# Altium PCB VOU_SOM_CV_V0.0.1.PcbDoc (part 1 of 5)
Units mm, origin at the board's own origin, x right, y up, seen from the top; angles counter-clockwise.
Board outline 75 x 105 mm, 9 copper layers (Top Layer, PWR1, INT1, INT2, INT3, INT4, INT5, PWR2, Bottom Layer), stack 1.317 mm thick; 497 components, 649 nets, 3023 pads, 1317 vias.
Unrouted connection lines stored in the file: 2057.
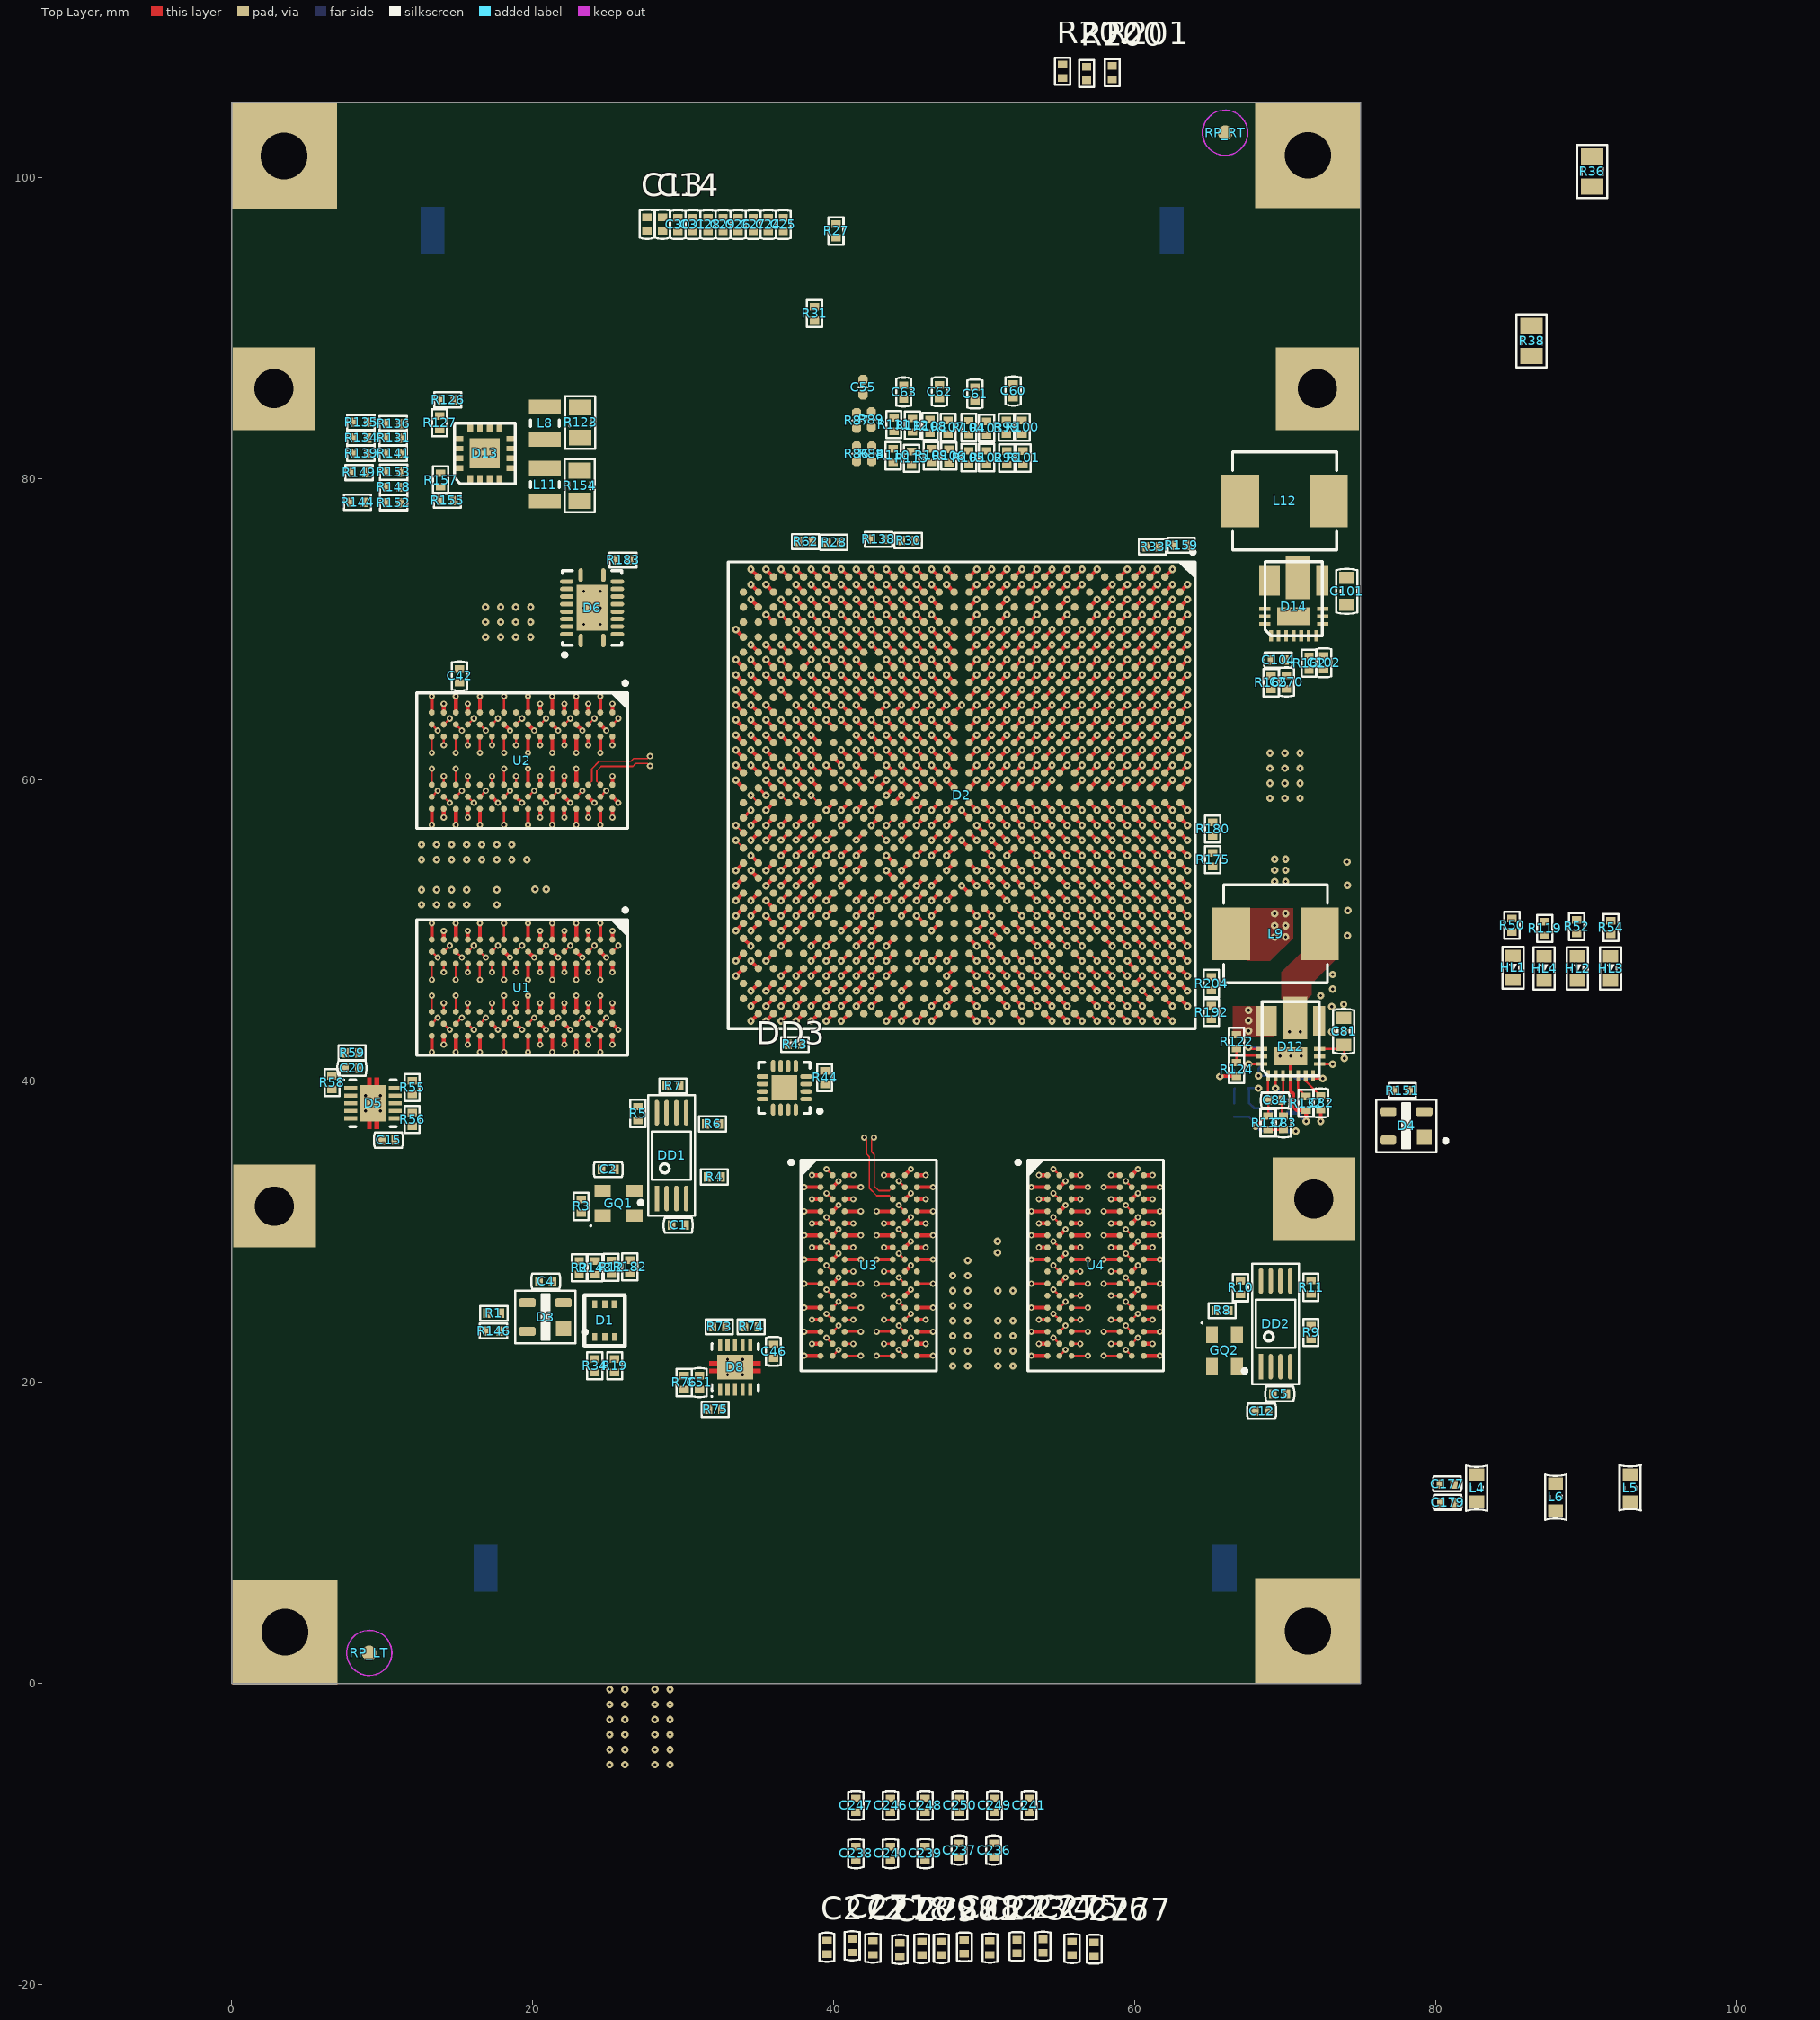
[diagram p0: Top Layer view]
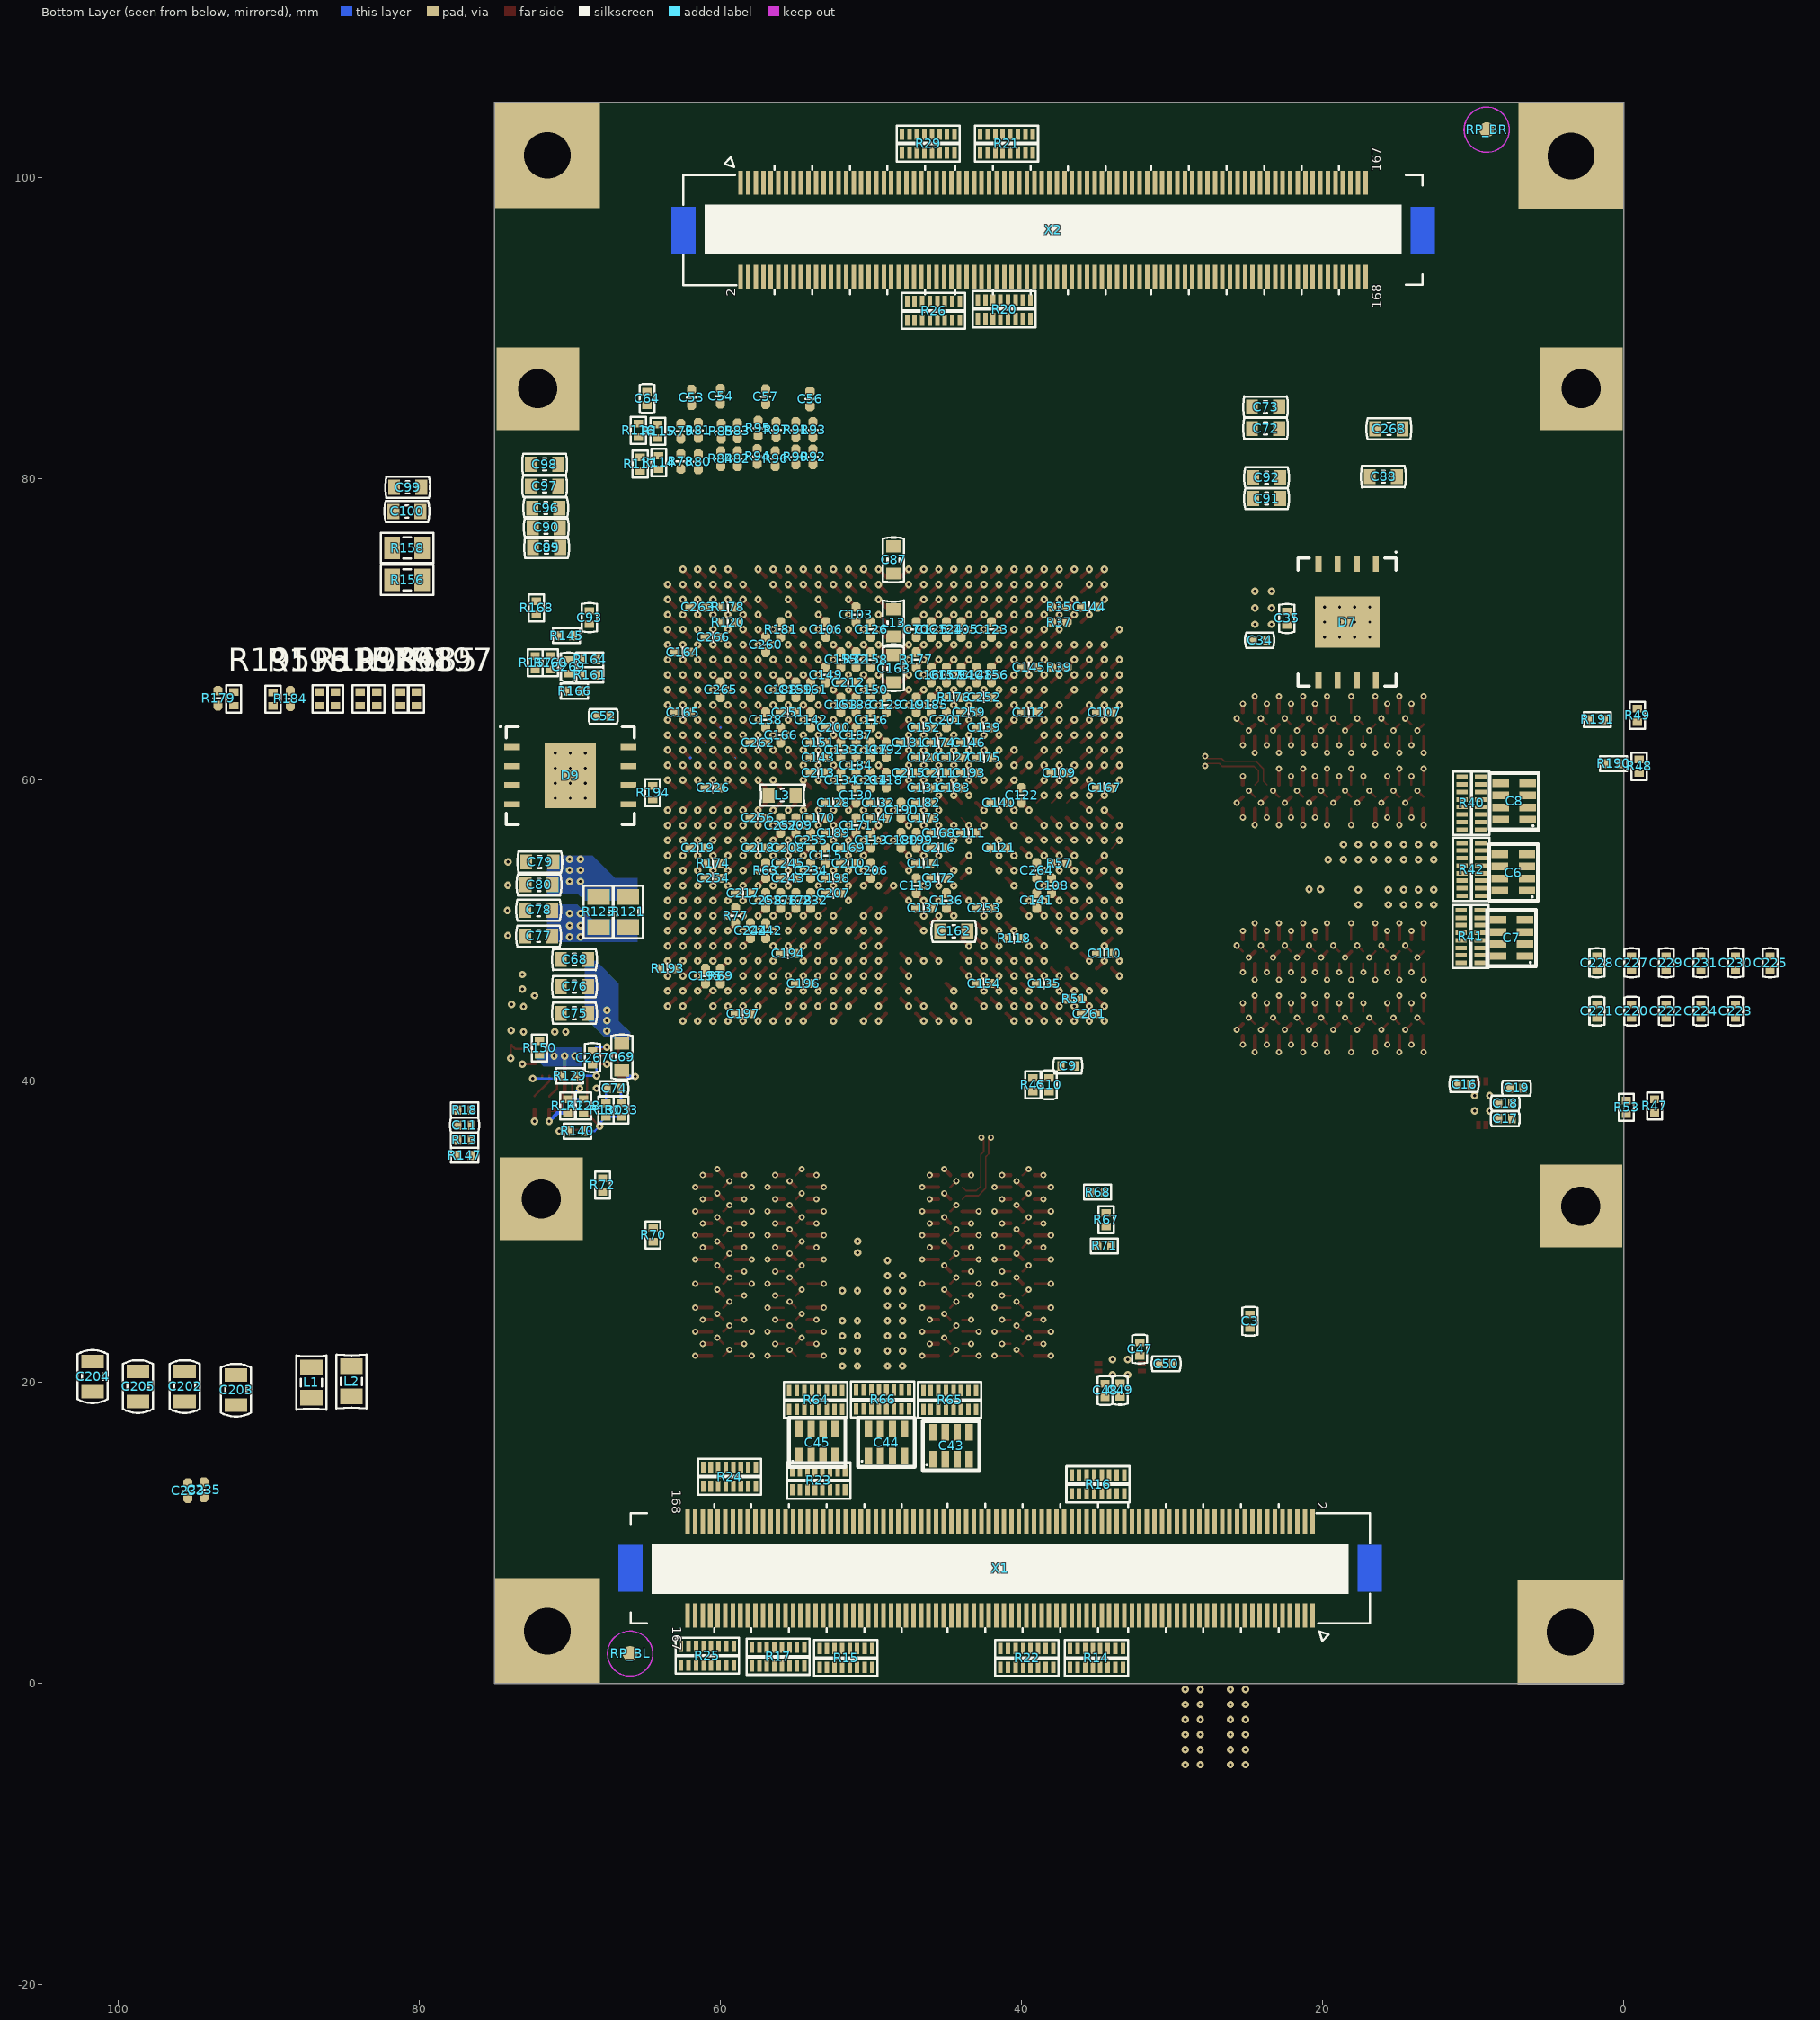
[diagram p1: Bottom Layer view, seen from below]
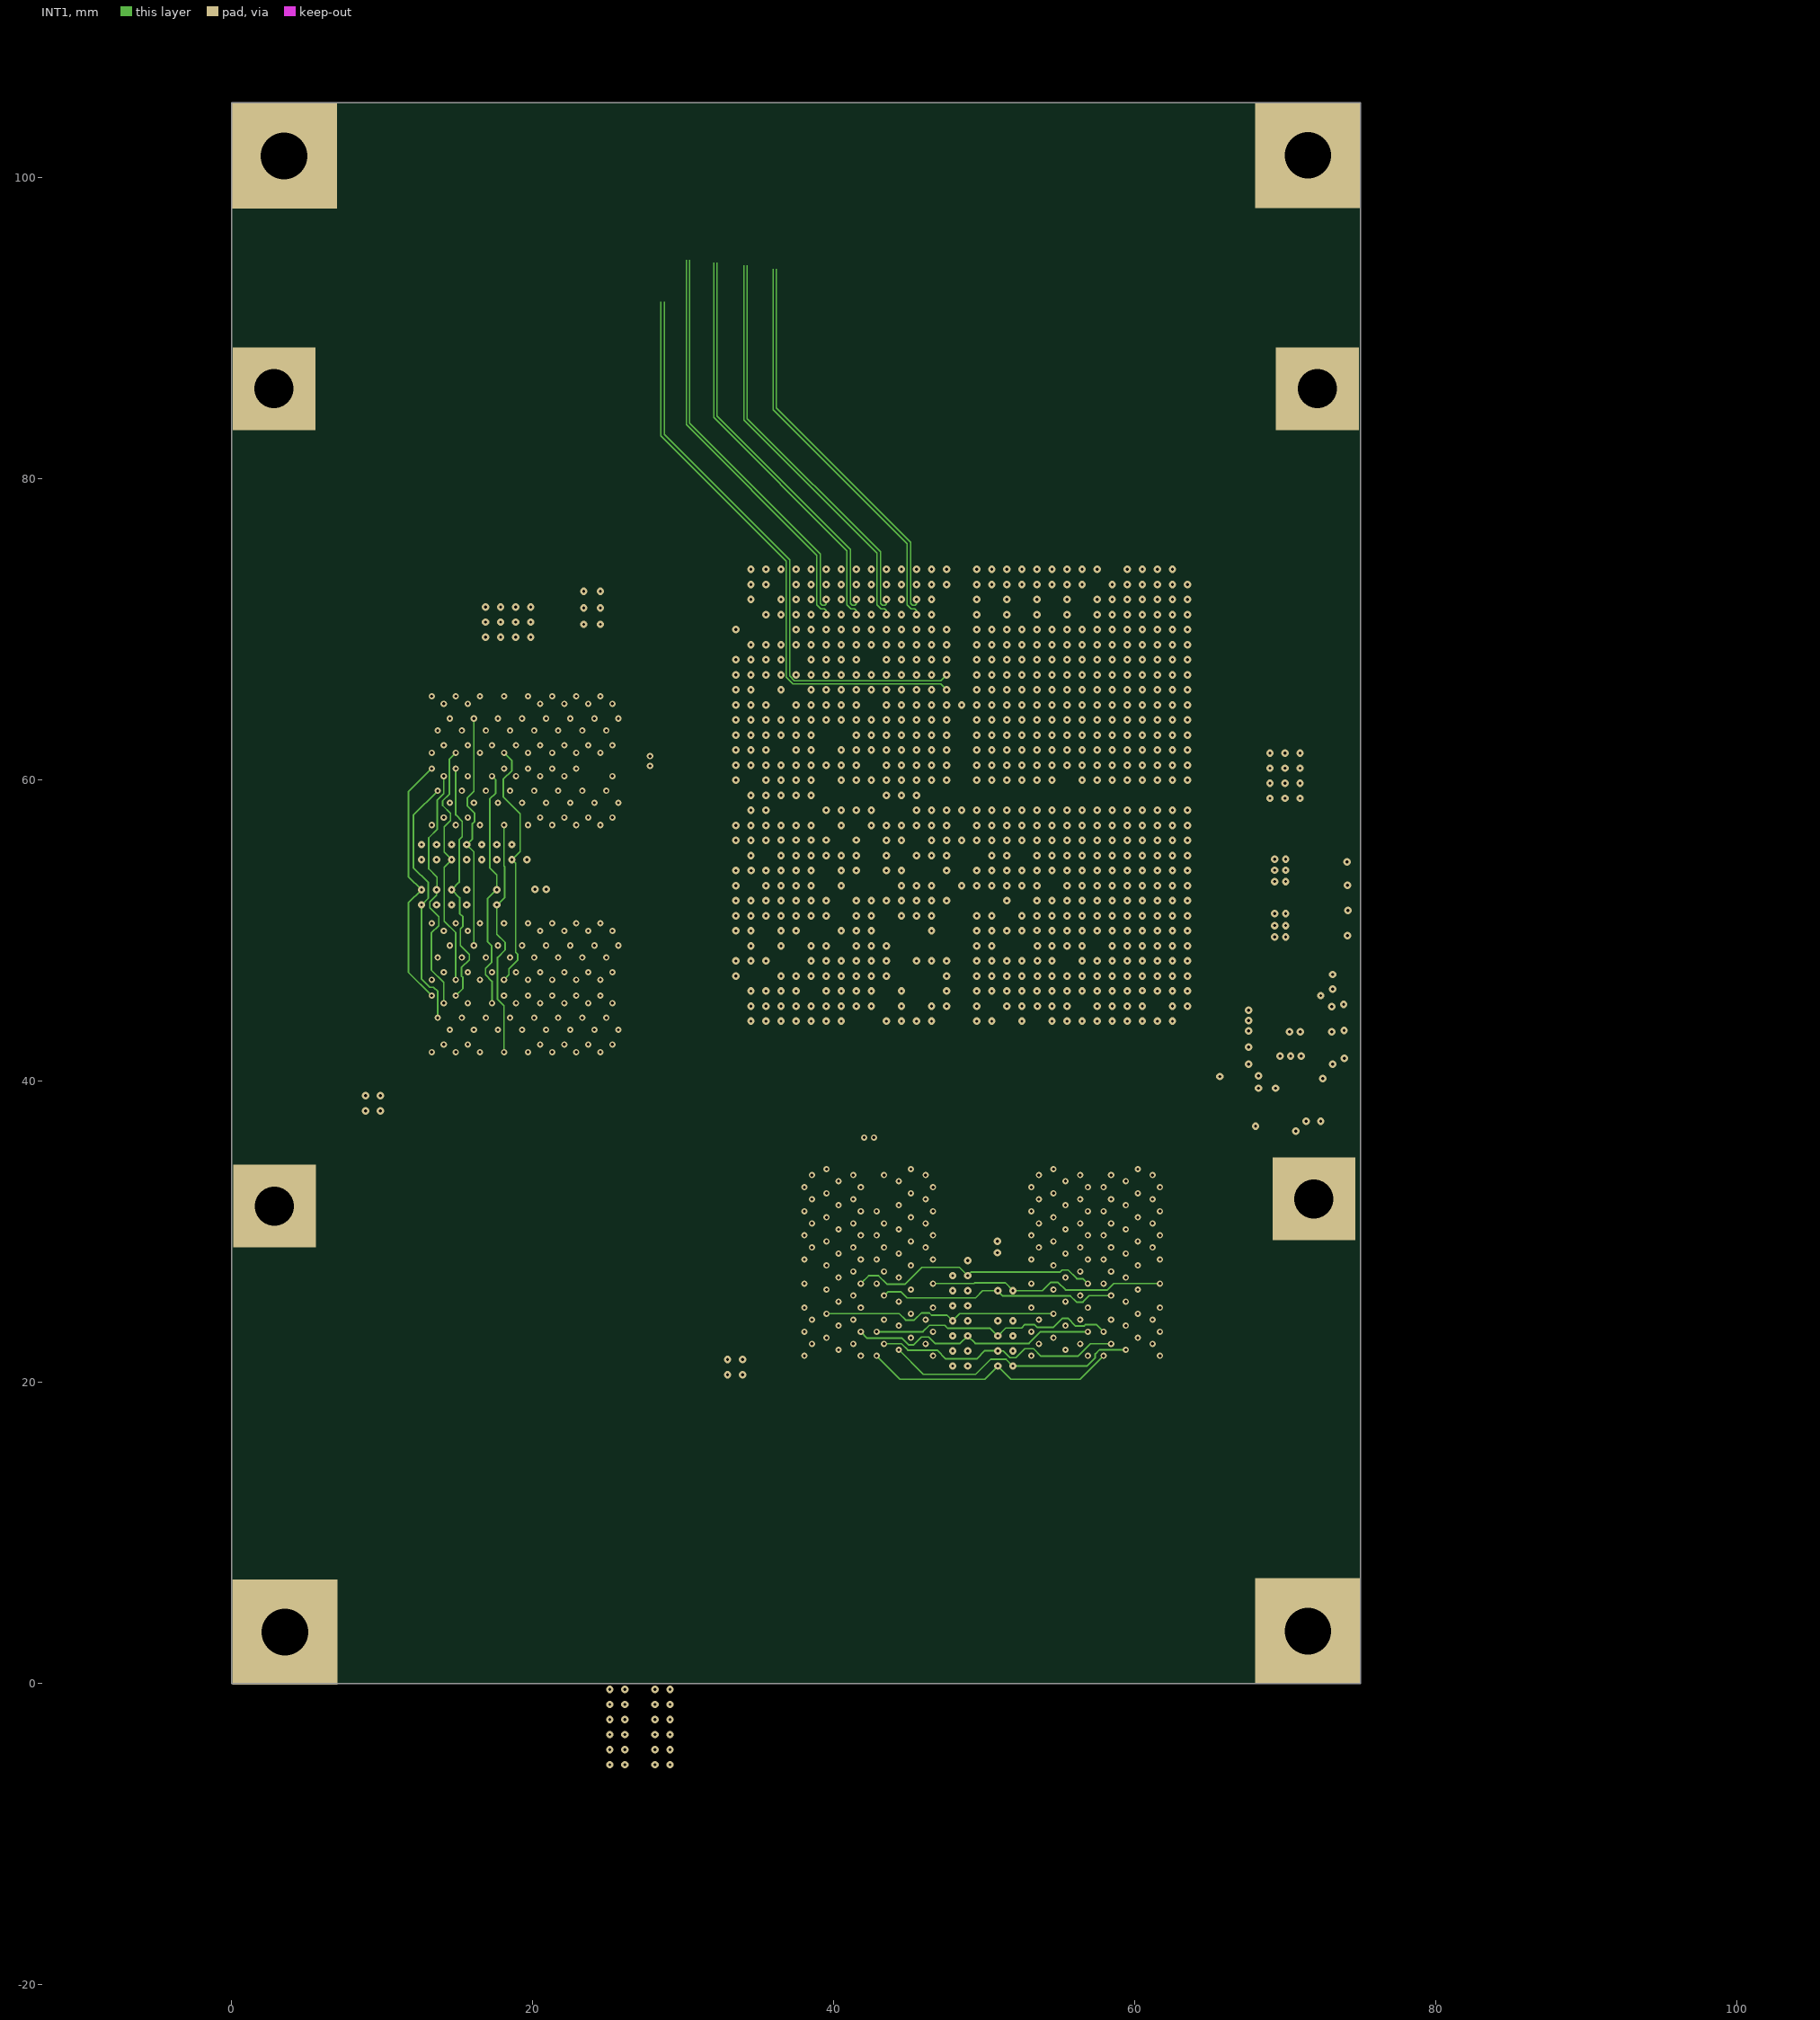
[diagram p2: INT1]
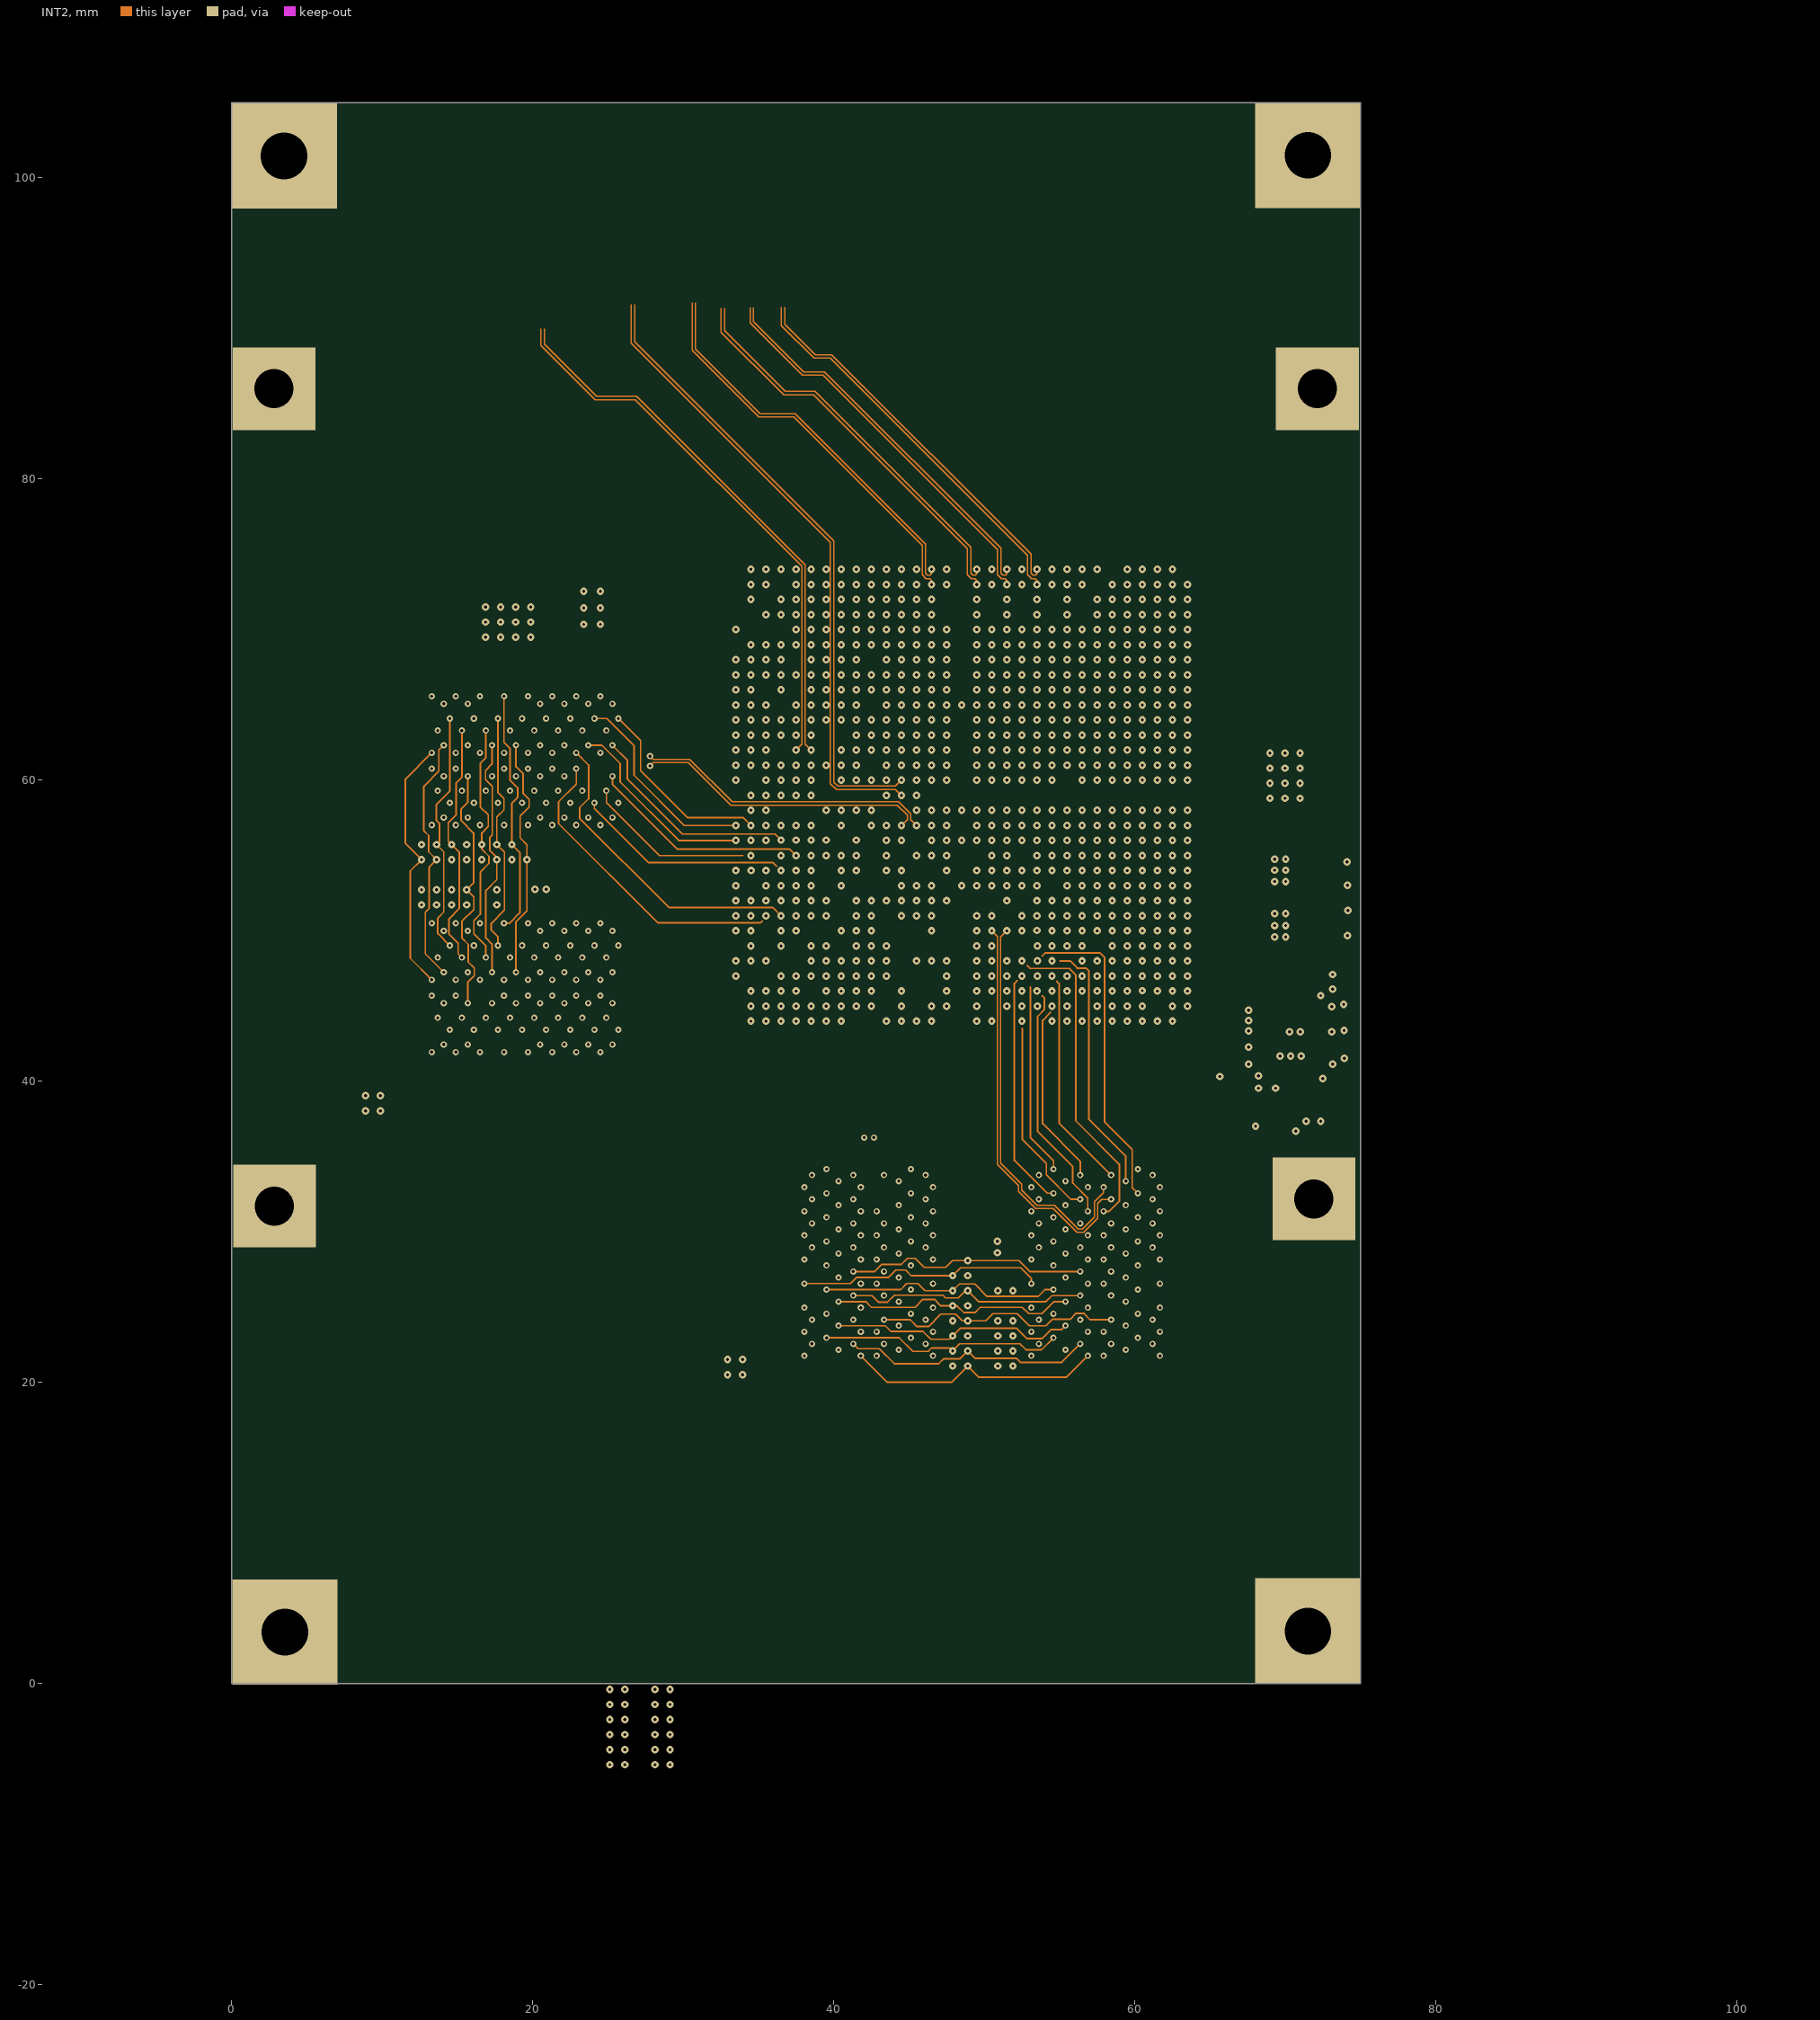
[diagram p3: INT2]